# Altium PCB BDD.pcbdoc
Units mil, origin at the board's own origin, x right, y up, seen from the top; angles counter-clockwise.
Board outline 3081.84 x 2990.26 mil, 2 copper layers (Top Layer, Bottom Layer); 14 components, 1 nets, 0 pads, 1 vias.
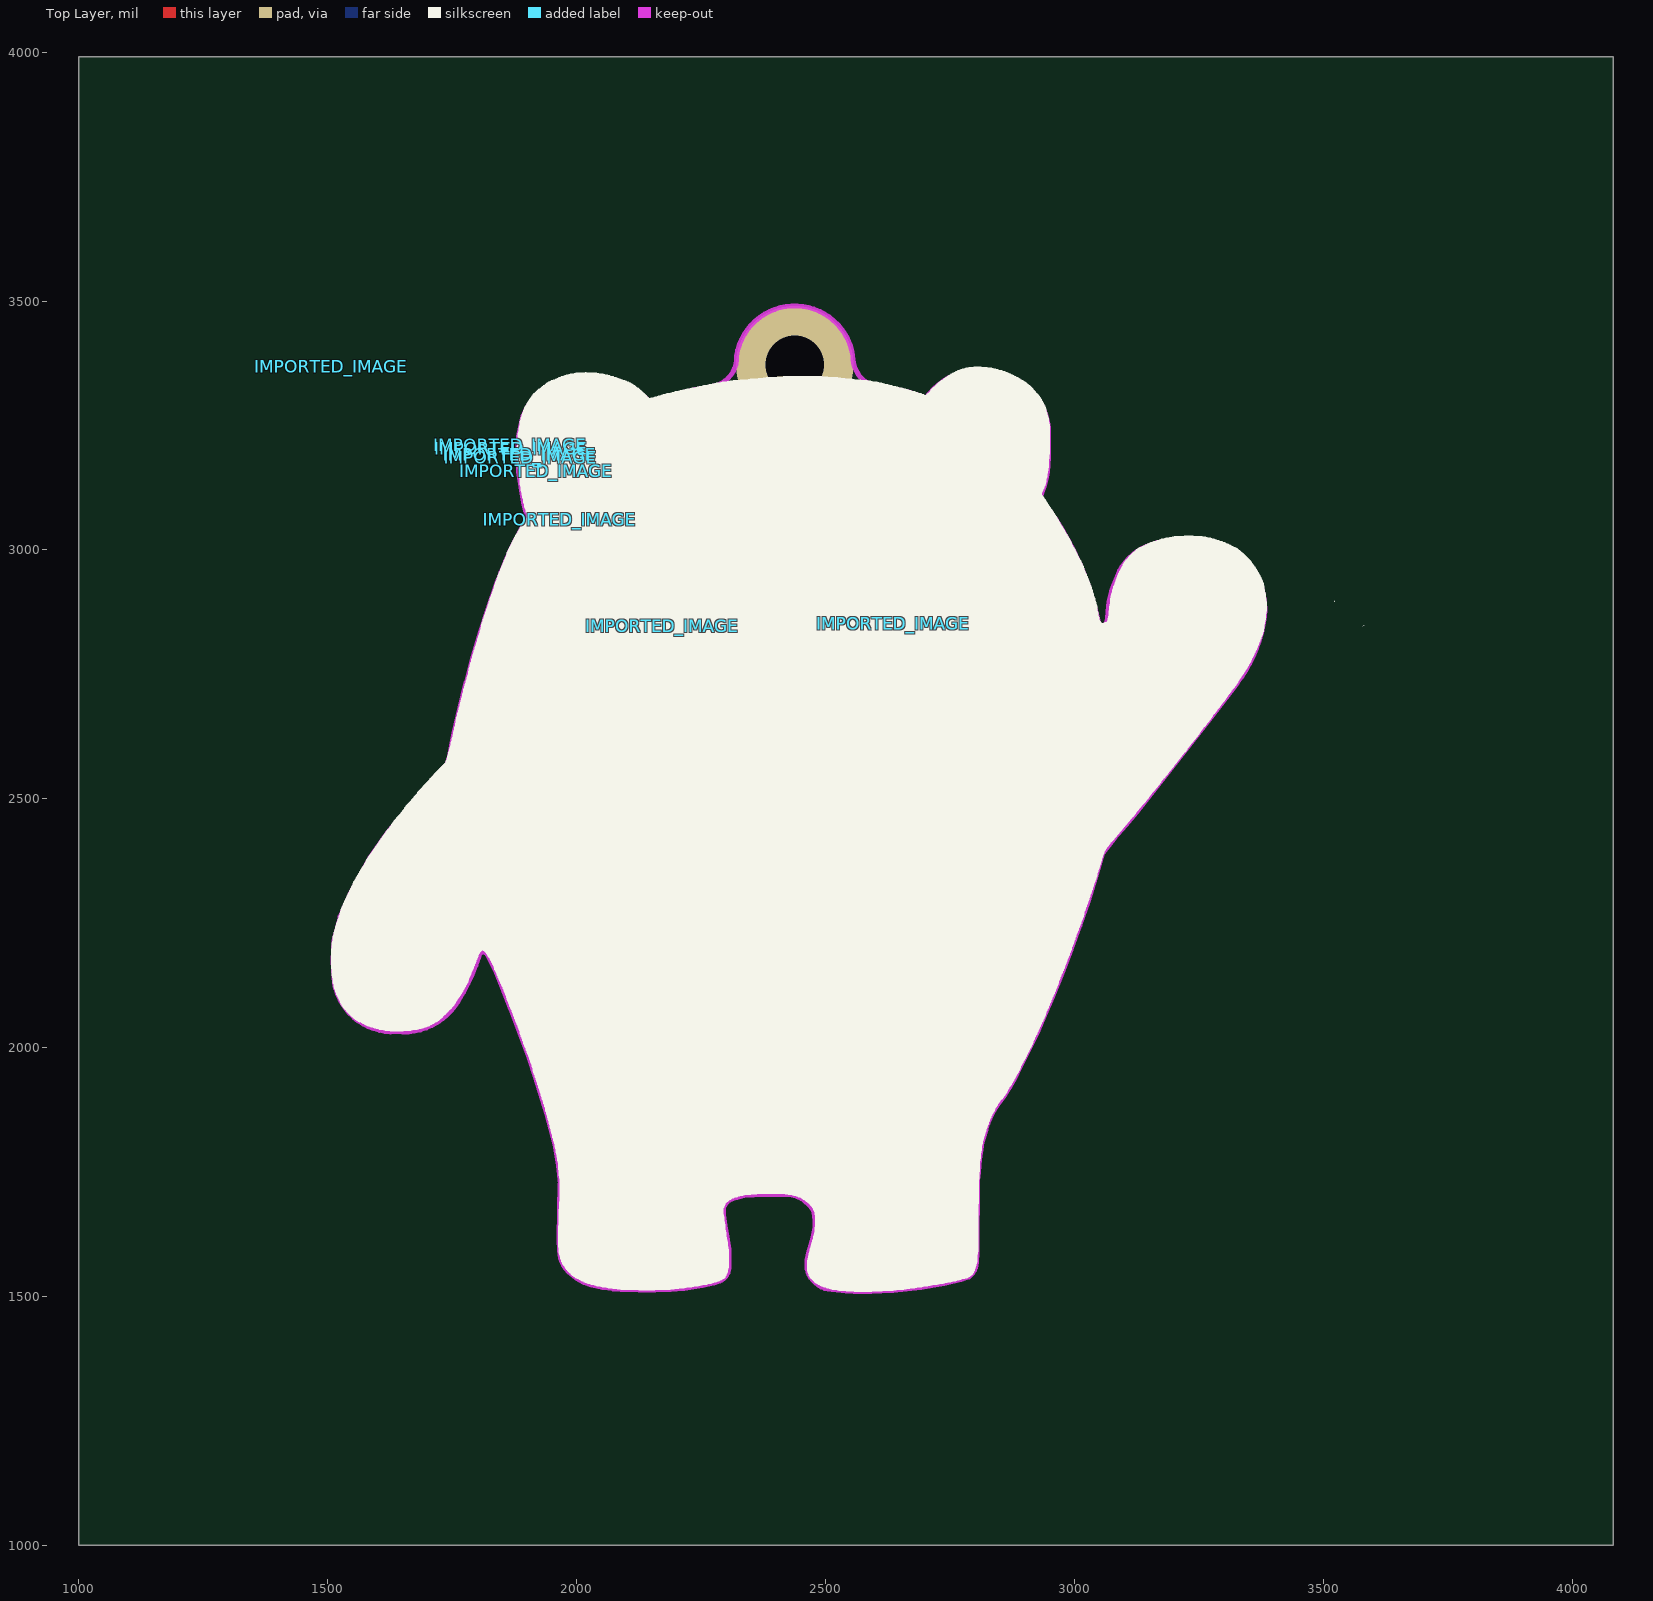
[diagram p0: Top Layer view]
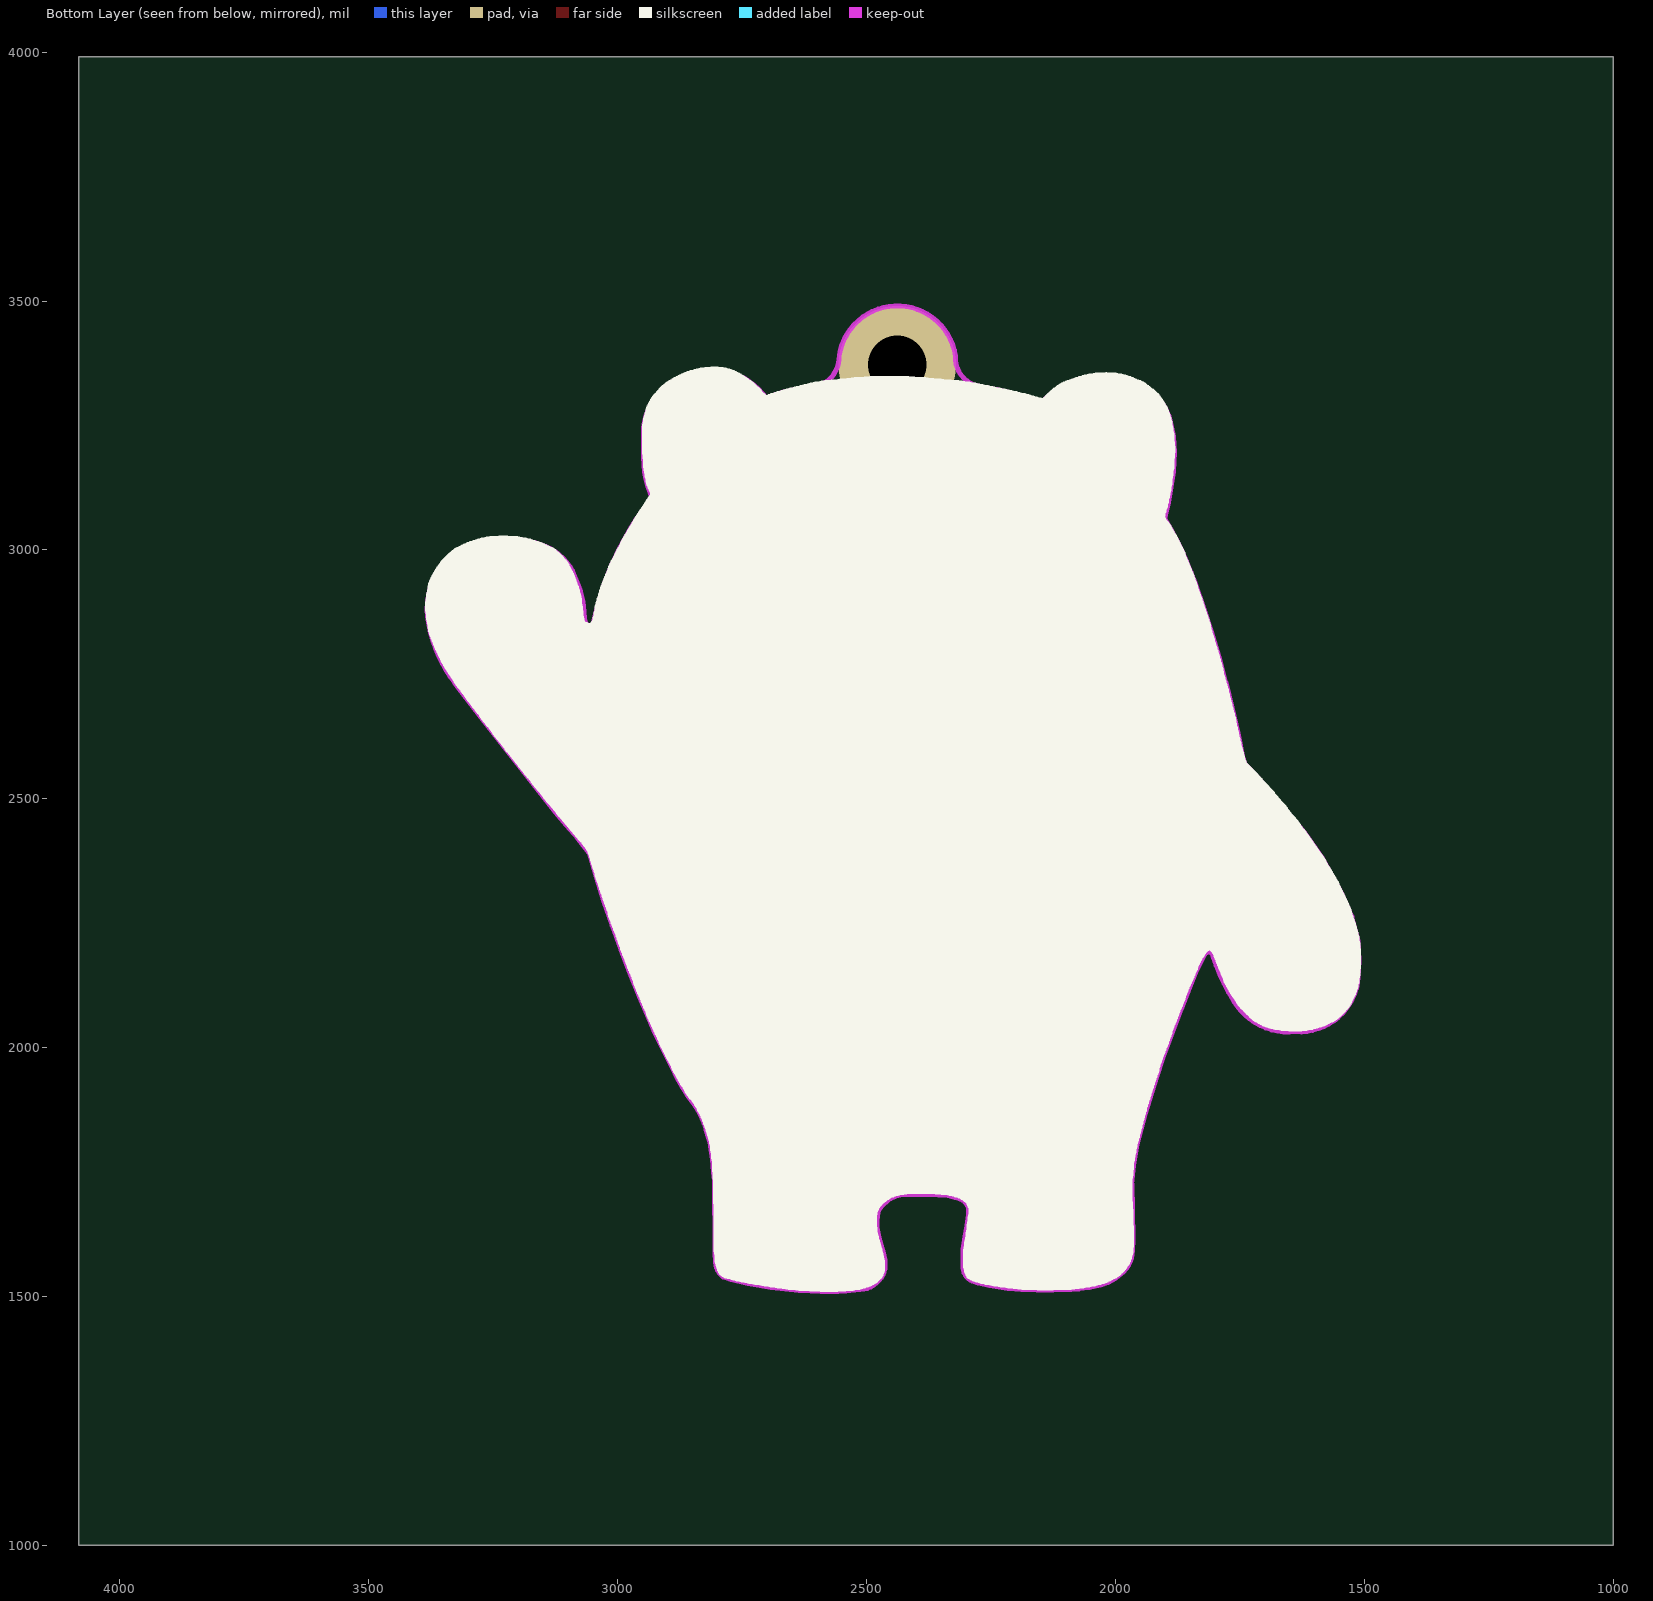
[diagram p1: Bottom Layer view, seen from below]

## Layer stack, top to bottom
Top Layer: signal copper (thickness not stored)
Dielectric: dielectric 12.6, FR-4, Dk 4.8
Bottom Layer: signal copper (thickness not stored)

## Board outline
4081.84,1000 1000,1000 1000,3990.26 4081.84,3990.26

## Components (designator, comment, footprint, x,y, rotation, side; value= is the part's Value field where it differs from the comment)
IMPORTED_IMAGE "IMPORTED_IMAGE" IMPORTED_IMAGE 2172.16,2846.28 r0 top
IMPORTED_IMAGE "IMPORTED_IMAGE" IMPORTED_IMAGE 2635.95,2851.95 r0 top
IMPORTED_IMAGE "IMPORTED_IMAGE" IMPORTED_IMAGE 1887.34,3185.31 r0 top
IMPORTED_IMAGE "IMPORTED_IMAGE" IMPORTED_IMAGE 1868.07,3203.62 r0 top
IMPORTED_IMAGE "IMPORTED_IMAGE" IMPORTED_IMAGE 1919.13,3158.34 r0 top
IMPORTED_IMAGE "IMPORTED_IMAGE" IMPORTED_IMAGE 1965.38,3060.06 r0 top
IMPORTED_IMAGE "IMPORTED_IMAGE" IMPORTED_IMAGE 1507,3368.35 r0 top
IMPORTED_IMAGE "IMPORTED_IMAGE" IMPORTED_IMAGE 1965.38,3060.06 r0 top
IMPORTED_IMAGE "IMPORTED_IMAGE" IMPORTED_IMAGE 1919.13,3158.34 r0 top
IMPORTED_IMAGE "IMPORTED_IMAGE" IMPORTED_IMAGE 2635.95,2851.95 r0 top
IMPORTED_IMAGE "IMPORTED_IMAGE" IMPORTED_IMAGE 1885.99,3191.43 r0 top
IMPORTED_IMAGE "IMPORTED_IMAGE" IMPORTED_IMAGE 1866.65,3209.79 r0 top
IMPORTED_IMAGE "IMPORTED_IMAGE" IMPORTED_IMAGE 2172.16,2846.28 r0 top
IMPORTED_IMAGE "IMPORTED_IMAGE" IMPORTED_IMAGE 1507,3368.35 r0 top

## Footprints (in the part's own frame and the unit in brackets; to place one, negate y for a bottom-side part, rotate by r counter-clockwise, add the part's x,y. Pads: shape width x height; smd on the part's side, far side on the other; paste and mask are expansions set on the pad)
IMPORTED_IMAGE [mil]

## Via types
v1: diameter 236.22, hole 118.11, Top Layer to Bottom Layer, tented both sides, 1 vias

## Nets (pads, with @x,y where several pads share a name; then routed paths per layer and width w, separated by ;. In a path a pad name is that pad's centre, name@x,y a point inside that pad or via, vN(x,y) a via of type N, cw(c..) or ccw(c..) an arc to the next point about the centre after c; other vN are vias at no path point)
GND: 
copper on no net:
  other v1: 2437.84,3372.15

## Polygon pours and split planes (outlines as drawn)
GND on Bottom Layer (solid): 1868.84,2625.15 1899.57,2445.37 1996.25,2290.71 2144.4,2184.33 2321.84,2142.15 2453.84,2132.15 2667.84,2149.15 2831.84,2201.15 2908.58,2255.98 2966.84,2330.15 3025.19,2470.01 3045.84,2620.15 3021.6,2790.36 2948.84,2946.15 2850.89,3080.1 2710.84,3169.15 2493.84,3204.15 2277.84,3184.15 2147.54,3136.42 2038.84,3050.15 1946.52,2924.53 1888.62,2779.78
GND on Bottom Layer (solid): 2788.18,3290.37 2908.52,3178.47 2910.17,3236.43 2875.84,3283.14 2788.18,3290.37
GND on Bottom Layer (solid): 1946.37,3141.43 2079.41,3264.05 2020,3271.43 1968.41,3241.05 1946.21,3193.71 1946.37,3141.43
GND on Top Layer (solid): 1868.84,2625.15 1899.57,2445.37 1996.25,2290.71 2144.4,2184.33 2321.84,2142.15 2453.84,2132.15 2667.84,2149.15 2831.84,2201.15 2908.58,2255.98 2966.84,2330.15 3025.19,2470.01 3045.84,2620.15 3021.6,2790.36 2948.84,2946.15 2850.89,3080.1 2710.84,3169.15 2493.84,3204.15 2277.84,3184.15 2147.54,3136.42 2038.84,3050.15 1946.52,2924.53 1888.62,2779.78
GND on Top Layer (solid): 1946.37,3141.43 2079.41,3264.05 2020,3271.43 1968.41,3241.05 1946.21,3193.71 1946.37,3141.43
GND on Top Layer (solid): 2788.18,3290.37 2908.52,3178.47 2910.17,3236.43 2875.84,3283.14 2788.18,3290.37

## Keep-outs
Keep-Out Layer:
  lines w10: 1511.84,2142.15 ccw(c1629.84,2150.15) 1637.84,2032.15 ccw(c1652.32,2158.19) 1761.84,2094.15 ccw(c1436.29,2300.87) 1803.84,2184.15 cw(c1812.56,2183.4) 1820.86,2186.2 ; 1742.84,2580.15 cw(c4118.89,2117.06) 1839.84,2933.14 cw(c2464.91,2716.49) 1900.84,3062.15 ; 1889.84,3260.15 cw(c1997.05,3232.31) 1925.84,3317.15 cw(c2017.64,3201.54) 2019.84,3349.15 cw(c2027.77,3187.88) 2141.84,3302.15 ccw(c2149.08,3309.39) 2149.08,3299.15 ; 1965.38,1592.7 ccw(c2025.86,1592.7) 1983.09,1549.94 ; 2152.84,3299.15 cw(c2434.9,2417.82) 2266.48,3327.72 ccw(c2262.64,3386.18) 2321.09,3390.02 cw(c2437.84,3372.15) 2554.5,3390.63 ccw(c2615.09,3387.76) 2612.22,3327.16 cw(c2571.6,2962.08) 2701.31,3305.75 ; 2287.18,1531.04 ccw(c2275.4,1558.78) 2305.48,1557.05 ; 2294.4,1677.49 cw(c2323.99,1667.54) 2321.86,1698.68 ; 2462.53,1561.39 ccw(c2503.23,1561.39) 2474.45,1532.6 ; 2478.91,1528.14 ccw(c2512.63,1561.86) 2512.63,1514.18 ; 2701.76,3305.42 cw(c2813.94,3223.94) 2802.84,3362.15 cw(c2796.78,3184.55) 2855.84,3352.15 cw(c2824.92,3232.38) 2947.84,3246.15 ; 2792.41,1543.94 ccw(c2767.74,1568.61) 2802.63,1568.61 ; 2821.9,1835.49 cw(c2990.73,1787.44) 2849.84,1892.15 ccw(c2636.38,2062.47) 2884.84,1949.15 ; 2947.84,3186.15 cw(c2744.55,3187.29) 2933.84,3113.15 ccw(c2946.26,3106.47) 2932.84,3102.15 cw(c2464.81,2734.45) 3047.84,2854.15 ccw(c3056.03,2856.61) 3063.84,2853.15 ; 2955.84,2103.15 ccw(c634.44,3078.96) 3056.84,2391.14 ; 3090.84,2958.15 cw(c3186.68,2906.84) 3152.84,3010.15 cw(c3221.94,2817.82) 3225.84,3022.15 cw(c3235.4,2869.2) 3297.84,3009.15 cw(c3250.46,2886.12) 3372.84,2935.15 cw(c3215.54,2879.54) 3381.84,2866.15 cw(c3103.78,2903.09) 3323.84,2729.15

## Other copper
Top Layer:
  region: 1975.34,2324.15 2103.84,2324.15 2107.84,2320.15 2107.84,2214.15 2107.84,2210.65 2106.34,2211.65 2035.84,2262.15 1995.84,2291.15
  pour cut-out: 2537.99,2762.64 2586.84,2742.41 2588.53,2740.71 2592.62,2730.84 2592.62,2718.55 2589.73,2711.57 2582.02,2699.05 2562.75,2681.71 2541.56,2673.04 2530.96,2670.15 2510.73,2670.15 2487.6,2676.89 2471.22,2686.52 2458.7,2699.05 2450.03,2713.5 2448.1,2726.03 2448.1,2731.81 2451.95,2741.44 2459.66,2748.19 2470.26,2753.97 2477.97,2757.82 2489.53,2760.23 2500.13,2762.64
  pour cut-out: 2710.84,2845.15 2760.34,2824.64 2780.84,2775.15 2780.84,2759.15 2760.34,2709.65 2710.84,2689.15 2661.34,2709.65 2640.84,2759.15 2640.84,2776.15 2661.05,2824.94 2709.84,2845.15
  pour cut-out: 2251.84,2837.15 2304.88,2815.18 2326.84,2762.15 2326.84,2751.15 2305.46,2699.53 2253.84,2678.15 2199.4,2700.7 2176.84,2755.15 2176.84,2762.15 2198.81,2815.18
  pour cut-out: 2355.84,2651.15 2408.84,2628.15 2448.84,2614.15 2479.84,2607.15 2516.84,2607.15 2547.84,2612.15 2574.84,2620.15 2598.84,2629.15 2622.84,2639.15 2631.84,2643.15 2635.84,2641.15 2637.84,2637.15 2634.84,2631.15 2615.84,2615.15 2590.84,2597.15 2557.84,2580.15 2527.84,2575.15 2509.84,2574.15 2481.84,2577.15 2455.84,2583.15 2430.84,2592.15 2398.84,2607.15 2377.84,2621.15 2358.84,2637.15 2353.84,2644.15 2352.84,2650.15
Bottom Layer:
  pour cut-out: 2251.84,2837.15 2304.88,2815.18 2326.84,2762.15 2326.84,2751.15 2305.46,2699.53 2253.84,2678.15 2199.4,2700.7 2176.84,2755.15 2176.84,2762.15 2198.81,2815.18
  pour cut-out: 2710.84,2845.15 2760.34,2824.64 2780.84,2775.15 2780.84,2759.15 2760.34,2709.65 2710.84,2689.15 2661.34,2709.65 2640.84,2759.15 2640.84,2776.15 2661.05,2824.94 2709.84,2845.15
  pour cut-out: 2537.99,2762.64 2586.84,2742.41 2588.53,2740.71 2592.62,2730.84 2592.62,2718.55 2589.73,2711.57 2582.02,2699.05 2562.75,2681.71 2541.56,2673.04 2530.96,2670.15 2510.73,2670.15 2487.6,2676.89 2471.22,2686.52 2458.7,2699.05 2450.03,2713.5 2448.1,2726.03 2448.1,2731.81 2451.95,2741.44 2459.66,2748.19 2470.26,2753.97 2477.97,2757.82 2489.53,2760.23 2500.13,2762.64
  pour cut-out: 2355.84,2651.15 2408.84,2628.15 2448.84,2614.15 2479.84,2607.15 2516.84,2607.15 2547.84,2612.15 2574.84,2620.15 2598.84,2629.15 2622.84,2639.15 2631.84,2643.15 2635.84,2641.15 2637.84,2637.15 2634.84,2631.15 2615.84,2615.15 2590.84,2597.15 2557.84,2580.15 2527.84,2575.15 2509.84,2574.15 2481.84,2577.15 2455.84,2583.15 2430.84,2592.15 2398.84,2607.15 2377.84,2621.15 2358.84,2637.15 2353.84,2644.15 2352.84,2650.15
  text "axyzdong" at 2781.84,1830.15 h60 r70
  text "@2022" at 2703.34,1783.65 h60 r66

## Silkscreen, mask and mechanical layers (free items; w line width, h text height)
Top Overlay:
  drawing of 34 lines, arcs and shapes, not listed
Bottom Overlay:
  drawing of 29 lines, arcs and shapes, not listed
Mechanical 1:
  lines w19.68: 2701.31,3305.75 ccw(c2571.6,2962.08) 2612.22,3327.16 cw(c2615.09,3387.76) 2554.5,3390.63 ccw(c2437.84,3372.15) 2321.09,3390.02 cw(c2262.64,3386.18) 2266.48,3327.72 ccw(c2434.91,2417.79) 2152.84,3299.15 2149.08,3299.15 cw(c2149.08,3309.39) 2141.84,3302.15 ccw(c2027.77,3187.88) 2019.84,3349.15 ccw(c2017.64,3201.54) 1925.84,3317.15 ccw(c1997.05,3232.31) 1889.84,3260.15 1882.84,3227.15 1880.84,3196.15 1882.84,3158.15 1892.84,3095.15 1898.84,3070.15 1900.84,3062.15 ccw(c2464.91,2716.49) 1839.84,2933.15 ccw(c4118.87,2117.07) 1742.84,2580.14 1738.84,2569.15 1714.84,2544.15 1619.84,2432.15 1584.84,2382.15 1545.84,2311.15 1524.84,2263.15 1511.84,2214.15 1509.84,2175.15 1511.84,2142.15 ccw(c1629.84,2150.15) 1637.84,2032.15 ccw(c1652.32,2158.19) 1761.84,2094.15 ccw(c1436.29,2300.87) 1803.84,2184.15 cw(c1812.56,2183.4) 1820.86,2186.2 1836.27,2156.33 1850.73,2120.68 1868.07,2077.33 1903.72,1980.98 1917.21,1940.99 1940.33,1866.81 1956.23,1805.63 1963.45,1763.23 1966.84,1726.15 1965.38,1674.6 1963.93,1615.82 1965.38,1592.7 ccw(c2025.86,1592.7) 1983.09,1549.94 1999.1,1536.82 2015.48,1528.15 2029.93,1523.33 2052.09,1518.51 2073.29,1515.62 2088.7,1513.7 2125.31,1512.73 2157.11,1512.73 2187.94,1513.7 2215.88,1516.59 2252.49,1522.37 2275.62,1527.18 2287.18,1531.04 ccw(c2275.4,1558.78) 2305.48,1557.05 2305.48,1575.84 2305.48,1594.63 2302.59,1613.9 2298.74,1636.06 2294.89,1664 2294.4,1677.49 cw(c2323.99,1667.54) 2321.86,1698.68 2336.31,1703.02 2355.58,1704.46 2361.36,1704.94 2418.21,1704.94 2432.66,1703.5 2443.26,1700.61 2450,1697.24 2457.71,1692.9 2462.53,1688.08 2467.35,1683.27 2473.13,1676.52 2476.02,1671.7 2476.98,1667.85 2477.94,1663.03 2478.91,1650.51 2478.91,1637.98 2475.54,1623.53 2472.16,1610.52 2465.9,1586.92 2462.53,1572.47 2462.53,1561.39 ccw(c2503.23,1561.39) 2474.45,1532.6 2478.91,1528.14 ccw(c2512.63,1561.86) 2512.63,1514.18 2540.57,1510.81 2556.95,1509.84 2591.63,1509.84 2634.99,1511.77 2691.83,1518.51 2738.08,1526.22 2771.8,1533.93 2788.18,1539.71 2792.41,1543.94 ccw(c2767.74,1568.61) 2802.63,1568.61 2804.56,1589.81 2805.52,1734.33 2807.45,1749.75 2809.38,1775.76 2812.75,1802.74 2821.9,1835.49 cw(c2990.74,1787.44) 2849.84,1892.15 ccw(c2636.37,2062.47) 2884.84,1949.15 2913.84,2008.15 2926.84,2035.15 2936.84,2059.15 2955.84,2103.15 ccw(c634.42,3078.96) 3056.84,2391.15 3078.84,2419.15 3102.84,2447.15 3124.84,2473.15 3273.84,2663.15 3323.84,2729.15 ccw(c3103.78,2903.09) 3381.84,2866.15 ccw(c3215.53,2879.54) 3372.84,2935.15 ccw(c3250.46,2886.12) 3297.84,3009.15 ccw(c3235.4,2869.2) 3225.84,3022.15 ccw(c3221.94,2817.81) 3152.84,3010.15 ccw(c3186.68,2906.84) 3090.84,2958.15 3077.84,2927.15 3073.84,2916.15 3068.84,2895.15 3066.84,2876.15 3065.84,2862.15 3063.84,2853.15 cw(c3056.03,2856.61) 3047.84,2854.15 ccw(c2464.81,2734.45) 2932.84,3102.15 cw(c2946.26,3106.47) 2933.84,3113.15 ccw(c2744.55,3187.29) 2947.84,3186.15 2947.84,3246.15 ccw(c2824.92,3232.38) 2855.84,3352.15 ccw(c2796.78,3184.55) 2802.84,3362.15 ccw(c2813.94,3223.94) 2701.76,3305.42
Document:
  lines w0.1: 2540.91,2495.12 2540.93,2495.14